# Allegro board 1151864-PCIE3_0_X16-166-20240802_20240815_2000_pcb.brd (continued)
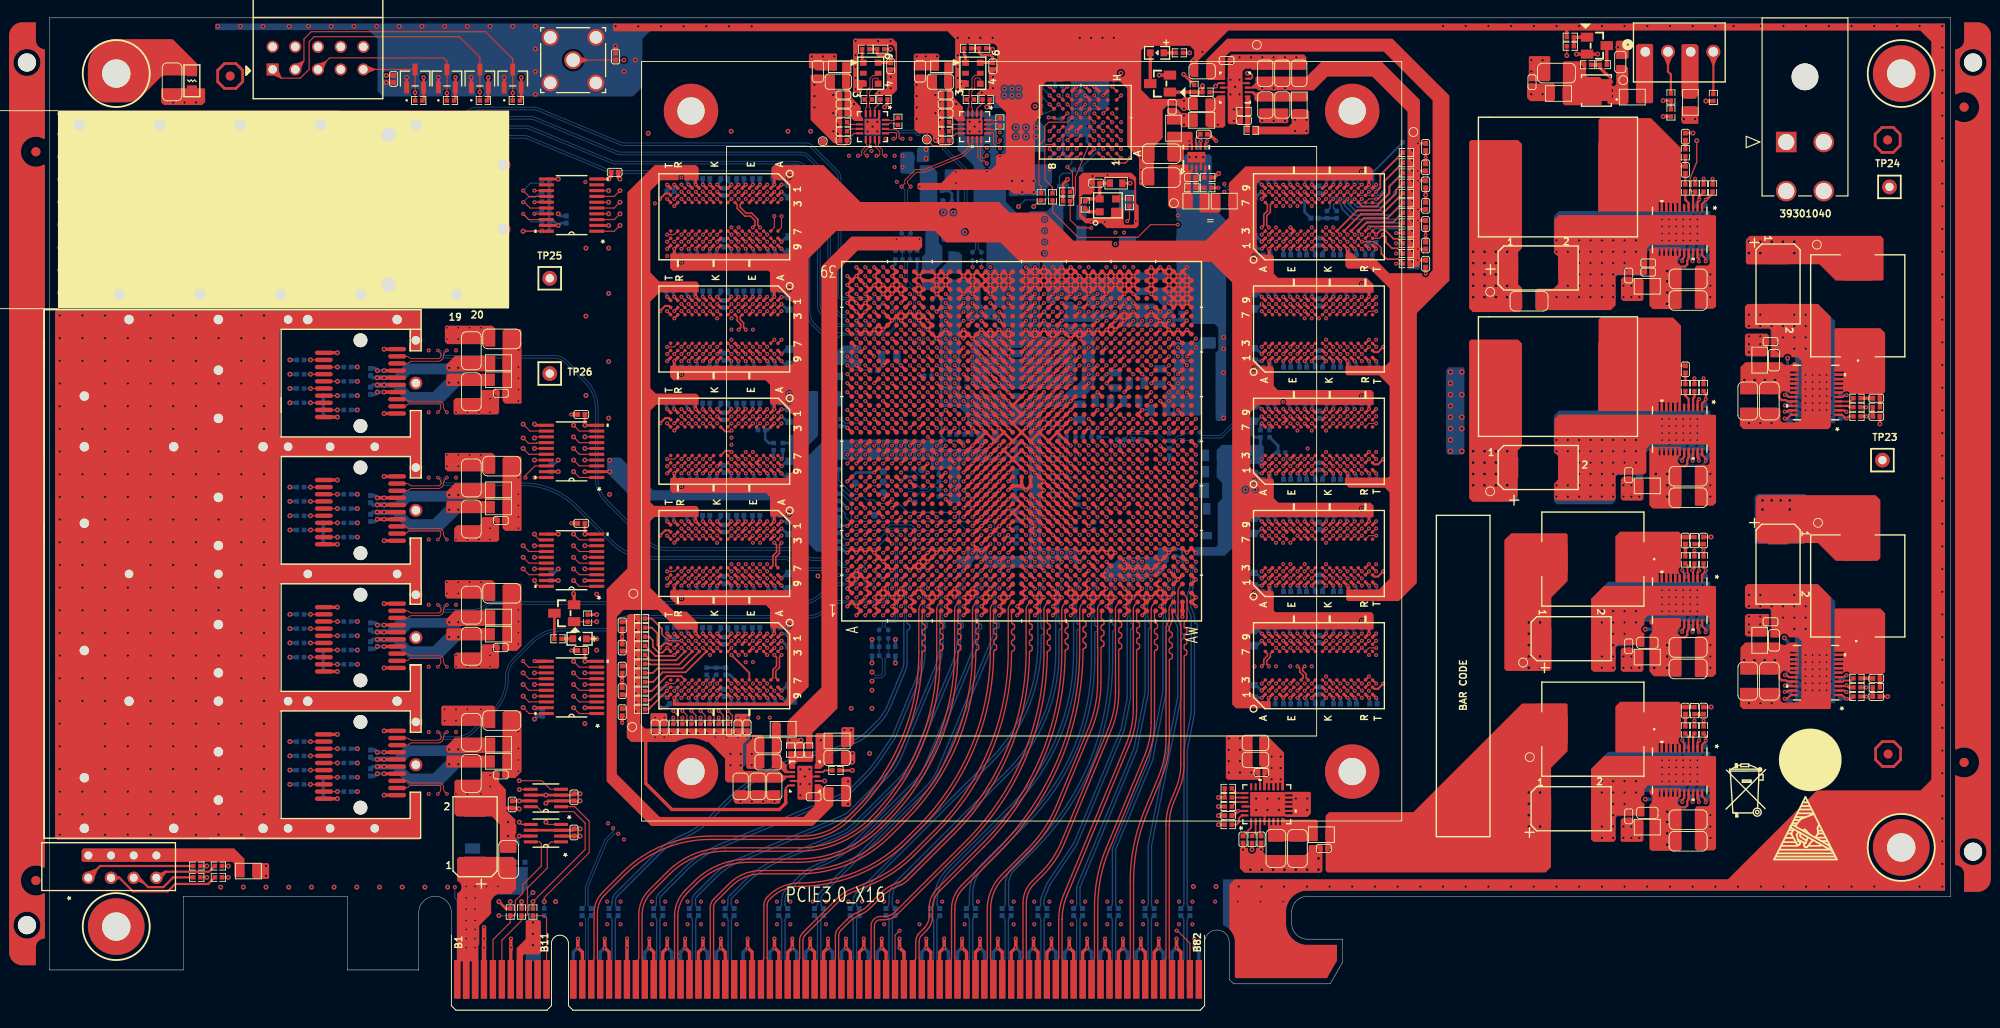
[diagram p0: board, top side]
## Placement (name value [footprint] x y rotation side) (continued)
C333  0.22UF  [C0402]  85.63 10.99 270 bottom
C334  0.22UF  [C0402]  86.65 10.99 270 bottom
C335  0.22UF  [C0402]  89.63 10.99 270 bottom
C336  0.22UF  [C0402]  90.65 10.99 270 bottom
C337  0.22UF  [C0402]  93.63 10.99 270 bottom
C338  0.22UF  [C0402]  94.65 10.99 270 bottom
C339  0.22UF  [C0402]  98.63 10.99 270 bottom
C340  0.22UF  [C0402]  99.65 10.99 270 bottom
C341  0.1UF  [C0402]  58.72 23.84 270 top
C342  0.1UF  [C0402]  51.82 23.04 270 top
C343  0.22UF  [C0402]  102.63 10.99 270 bottom
C344  0.22UF  [C0402]  103.65 10.99 270 bottom
C345  0.22UF  [C0402]  106.63 10.99 270 bottom
C346  0.22UF  [C0402]  107.65 10.99 270 bottom
C347  0.22UF  [C0402]  110.63 10.99 270 bottom
C348  0.22UF  [C0402]  111.65 10.99 270 bottom
C349  0.22UF  [C0402]  114.63 10.99 270 bottom
C350  0.22UF  [C0402]  115.65 10.99 270 bottom
C351  0.22UF  [C0402]  118.63 10.99 270 bottom
C352  0.22UF  [C0402]  119.65 10.99 270 bottom
C353  0.22UF  [C0402]  122.63 10.99 270 bottom
C354  0.22UF  [C0402]  123.65 10.99 270 bottom
C355  0.22UF  [C0402]  126.63 10.99 270 bottom
C356  0.22UF  [C0402]  127.65 10.99 270 bottom
C357  0.1UF  [C0402]  94.17 105.73 90 top
C358  1UF  [C0603]  86.02 105.16 270 top
C359  10UF  [C0805]  88.31 104.01 180 top
C360  0.1UF  [C0402]  88.89 102.51 0 top
C361  0.1UF  [C0402]  88.89 101.5 0 top
C362  0.1UF  [C0402]  88.89 100.48 0 top
C363  0.1UF  [C0402]  88.89 97.43 0 top
C364  0.1UF  [C0402]  105.6 105.73 90 top
C365  1UF  [C0603]  97.45 105.16 270 top
C366  10UF  [C0805]  99.74 104.01 180 top
C367  0.1UF  [C0402]  100.32 100.48 0 top
C368  0.1UF  [C0402]  100.32 101.5 0 top
C369  0.1UF  [C0402]  100.32 102.51 0 top
C370  0.1UF  [C0402_BGA]  128.29 63.73 180 bottom
C371  0.1UF  [C0402_BGA]  128.29 64.73 180 bottom
C372  0.1UF  [C0402_BGA]  96.4 87.5 270 bottom
C373  0.1UF  [C0402_BGA]  95.39 87.5 270 bottom
C374  0.1UF  [C0402]  100.32 97.43 0 top
C375  1UF  [C0603]  181.87 84.79 270 bottom
C376  0.1UF  [C0402]  183.1 94.13 270 top
C377  0.1UF  [C0402]  176.76 82.29 270 top
C378  22UF  [C1206]  183.41 81.91 0 top
C379  22UF  [C1206]  183.41 79.5 0 bottom
C380  22UF  [C1206]  183.41 79.5 0 top
C381  22UF  [C1206]  183.41 81.91 0 bottom
C382  1000PF  [C0402]  178.94 82.68 180 top
C383  1000PF  [C0402]  178.94 83.69 180 top
C384  4.7UF  [C0805]  178.85 82.93 180 bottom
C385  0.1UF_DNP  [C0402]  183.1 97.85 270 top
C386  0.1UF  [C0402]  176.76 40.76 270 top
C387  22UF  [C1206]  183.41 40.63 0 bottom
C388  22UF  [C1206]  183.41 38.22 0 top
C389  22UF  [C1206]  183.41 40.63 0 top
C390  22UF  [C1206]  183.41 38.22 0 bottom
C391  1UF  [C0603]  178.85 41.15 180 top
C392  1UF  [C0603]  181.87 43.26 90 bottom
C393  0.1UF  [C0402]  183.1 52.6 270 top
C394  0.1UF_DNP  [C0402]  185.14 52.6 270 top
C395  0.1UF  [C0402]  192.63 43.5 180 top
C396  22UF  [C1206]  192.5 36.86 270 bottom
C397  22UF  [C1206]  192.5 36.86 270 top
C398  22UF  [C1206]  190.09 36.86 270 bottom
C399  22UF  [C1206]  190.09 36.86 270 top
C400  1UF  [C0603]  193.02 41.42 90 top
C401  1UF  [C0603]  195.13 38.4 0 bottom
C402  0.1UF  [C0402]  204.47 37.17 180 top
C403  0.1UF_DNP  [C0402]  204.47 35.13 180 top
C404  0.1UF  [C0402]  176.76 21.71 270 top
C405  22UF  [C1206]  183.41 18.92 0 bottom
C406  22UF  [C1206]  183.41 18.92 0 top
C407  22UF  [C1206]  183.41 21.33 0 bottom
C408  22UF  [C1206]  183.41 21.33 0 top
C409  1UF  [C0603]  178.85 22.1 180 top
C410  1UF  [C0603]  181.87 24.21 90 bottom
C411  0.1UF  [C0402]  183.1 33.55 270 top
C412  2.2UF  [C0402]  131.94 21.79 0 top
C413  0.1UF_DNP  [C0402]  185.14 33.55 270 top
C414  0.1UF  [C0402]  142.65 18.12 0 top
C415  100UF  [C1206]  137.28 18.11 270 top
C416  47UF  [C1206]  139.69 18.11 270 top
C417  2.2UF  [C0402]  135.65 26.62 0 top
C418  4.7UF  [C0805]  134.99 28.04 180 top
C419  10UF  [C0805]  134.99 29.94 180 top
C420  0.01UF  [C0402]  135.63 19.13 270 top
C421  1000PF  [C0402]  133.59 19.13 270 top
C422  0.1UF  [C0402]  192.63 74.89 180 top
C423  22UF  [C1206]  190.09 68.24 270 bottom
C424  22UF  [C1206]  190.09 68.24 270 top
C425  22UF  [C1206]  192.5 68.24 270 bottom
C426  22UF  [C1206]  192.5 68.24 270 top
C427  1UF  [C0603]  193.02 72.81 90 top
C428  1UF  [C0603]  195.13 69.78 0 bottom
C429  0.1UF  [C0402]  204.47 68.55 180 top
C430  0.1UF  [C0402]  96.99 95.4 180 bottom
C431  10UF  [C0805]  99.81 93.22 0 bottom
C432  0.1UF_DNP  [C0402]  204.47 66.52 180 top
C433  10UF  [C0805]  98.33 82.06 270 bottom
C434  0.1UF  [C0402]  125.66 101.2 270 top
C435  22UF  [C1206]  124.47 95.94 180 top
C436  0.01UF  [C0402]  127.87 93.27 180 top
C437  47UF  [C1206]  124.44 93.27 180 top
C438  0.1UF  [C0402]  129.2 98.12 180 top
C439  0.1UF  [C0402]  176.76 59.94 270 top
C440  22UF  [C1206]  183.41 59.81 0 top
C441  22UF  [C1206]  183.41 59.81 0 bottom
C442  22UF  [C1206]  183.41 57.4 0 bottom
C443  22UF  [C1206]  183.41 57.4 0 top
C444  4.7UF  [C0805]  178.85 58.75 180 bottom
C445  1UF  [C0603]  181.87 62.43 90 bottom
C446  0.1UF  [C0402]  183.1 71.78 270 top
C447  10UF  [C0805]  80.45 27.76 180 top
C448  10UF  [C0805]  80.45 29.66 180 top
C449  1000PF  [C0402]  83.98 29.14 90 top
C450  4.7UF  [C0805]  88.17 28.25 0 top
C451  10UF  [C0805]  81.14 25.07 270 top
C452  10UF  [C0805]  79.28 25.07 270 top
C453  10UF  [C0805]  77.37 25.07 270 top
C454  0.1UF  [C0402]  85.54 23.9 180 top
C455  4.7UF  [C0805]  88.17 24.31 0 top
C456  10UF  [C0805]  136.09 101.39 270 top
C457  10UF  [C0805]  137.99 101.39 270 top
C458  1000PF  [C0402]  133.71 99.66 180 top
C459  4.7UF  [C0805]  128.97 101.49 180 top
C460  10UF  [C0805]  139.89 104.95 90 top
C461  10UF  [C0805]  137.99 104.95 90 top
C462  10UF  [C0805]  136.08 104.95 90 top
C463  0.1UF  [C0402]  131.76 106.38 0 top
C464  4.7UF  [C0805]  129.02 105.18 180 top
C465  1000pF_DNP  [C1206]  13.74 103.99 90 top
C466  0.1UF  [C0402]  165.94 103.95 270 top
C467  10UF  [C1206]  168.67 104.97 180 top
C468  1UF  [C0603]  175.82 106.21 90 top
C469  0.1UF  [C0402_BGA]  108.82 48.26 270 bottom
C470  0.1UF  [C0402_BGA]  112.82 49.26 270 bottom
C471  0.1UF  [C0402_BGA]  103.82 49.26 270 bottom
C472  0.1UF  [C0402_BGA]  113.29 77.73 180 bottom
C473  0.1UF  [C0402_BGA]  113.29 78.73 180 bottom
C474  0.1UF  [C0402_BGA]  107.82 48.2 90 bottom
C475  0.1UF  [C0402_BGA]  93.35 48.73 0 bottom
C476  0.1UF  [C0402_BGA]  95.82 49.2 90 bottom
C477  0.1UF  [C0402_BGA]  95.82 78.26 270 bottom
C478  0.1UF  [C0402_BGA]  97.79 78.28 270 bottom
C479  0.1UF  [C0402_BGA]  90.82 78.2 90 bottom
C480  0.1UF  [C0402_BGA]  106.82 49.26 270 bottom
C481  0.1UF  [C0402_BGA]  101.82 67.26 270 bottom
C482  0.1UF  [C0402_BGA]  117.29 70.73 0 bottom
C483  0.1UF  [C0402_BGA]  109.82 49.26 270 bottom
C484  0.1UF  [C0402_BGA]  112.35 59.73 180 bottom
C485  0.1UF  [C0402_BGA]  102.82 60.26 270 bottom
C486  0.1UF  [C0402_BGA]  102.82 57.26 270 bottom
CC1  330UF  [C2917X]  123.86 85.52 90 bottom
CC2  330UF  [C2917X]  123.86 90.68 90 bottom
CC3  330UF  [C2917X]  166.63 83.21 90 bottom
CC4  330UF  [C2917X]  166.63 83.14 270 top
CC5  330UF  [C2917X]  170.31 41.61 90 bottom
CC6  330UF  [C2917X]  170.31 41.61 270 top
CC7  330UF  [C2917X]  193.48 49.96 0 bottom
CC8  330UF  [C2917X]  193.48 49.96 180 top
CC9  330UF  [C2917X]  170.31 22.56 90 bottom
CC10  330UF  [C2917X]  170.31 22.56 270 top
CC11  330UF  [C2917X]  193.48 81.34 180 top
CC12  330UF  [C2917X]  193.48 81.34 0 bottom
CC13  330UF  [C2917X]  166.63 60.78 90 bottom
CC14  330UF  [C2917X]  166.63 60.78 270 top
CC15  100UF  [C2917X]  47.65 19.43 0 top
D1  BAT54SLT1G  [SOT-23]  40.94 104.36 0 top
D2  BAT54SLT1G  [SOT-23]  44.5 104.36 0 top
D3  BAT54SLT1G  [SOT-23]  51.87 104.36 0 top
D4  BAT54SLT1G  [SOT-23]  48.18 104.36 0 top
D5  -  [H485CGDL]  4.37 14.83 90 top
DS1  SML-LX0603GW-TR  [LED_0603]  59.34 41.6 180 top
DS2  SML-LX0603GW-TR  [LED_0603]  123.98 107.24 180 top
J1  JTAG  [SBH11-PBPC-D05-ST-BK]  30.07 106.65 0 top
J2  -  [RF2-04A-T-00-50-G]  58.62 106.42 0 top
J3  FS1-Z38-20Z6-60  [QSFP_28]  45.34 96.68 270 top
J4  U95-T151-100A  [D_QSFP_1X1]  45.34 96.68 270 top
J5  -  [0039301040]  194.39 97.25 180 top
J6  -  [0022112042]  178.62 107.35 0 top
L1  BLM18SG121TN1D  [L0603]  108.14 61.01 270 bottom
L2  BLM18SG121TN1D  [L0603]  108.14 56.58 90 bottom
L3  BLM18SG121TN1D  [L0603]  119.39 92.63 0 top
L4  BLM21SN300SN1D  [L0805]  113.94 105 180 bottom
L5  BLM21SN300SN1D  [L0805]  22.28 15.58 0 top
L6  BLM21SN300SN1D  [L0805]  108.8 100.61 270 bottom
L7  BLM21SN300SN1D  [L0805]  158.74 70.19 180 bottom
L8  BLM21SN300SN1D  [L0805]  106.44 100.61 90 bottom
L9  BLM21SN300SN1D  [L0805]  101.43 82.18 270 bottom
L10  BLM21SN300SN1D  [L0805]  158.74 67.65 180 bottom
L11  BLM21SN300SN1D  [L0805]  131.49 90.63 0 top
L12  BLM21SN300SN1D  [L0805]  158.74 63.9 180 bottom
L13  BLM21SN300SN1D  [L0805]  38.14 93.28 0 bottom
L14  BLM21SN300SN1D  [L0805]  38.14 86.6 0 bottom
L15  BLM21SN300SN1D  [L0805]  38.14 88.51 0 bottom
L16  BLM21SN300SN1D  [L0805]  50.28 70.62 180 top
L17  BLM21SN300SN1D  [L0805]  50.28 72.54 180 top
L18  BLM21SN300SN1D  [L0805]  50.28 56.37 180 top
L19  BLM21SN300SN1D  [L0805]  50.28 58.29 180 top
L20  BLM21SN300SN1D  [L0805]  50.28 42.12 180 top
L21  BLM21SN300SN1D  [L0805]  50.28 44.04 180 top
L22  BLM21SN300SN1D  [L0805]  50.28 27.87 180 top
L23  BLM21SN300SN1D  [L0805]  50.28 29.79 180 top
L24  BLM15PD121SN1D  [L0402]  93.05 107.65 0 top
L25  BLM18SG121TN1D  [L0603]  88.46 105.69 0 top
L26  BLM15PD121SN1D  [L0402]  104.46 107.75 0 top
L27  BLM18SG121TN1D  [L0603]  99.89 105.69 0 top
L28  BLM21SN300SN1D  [L0805]  178.84 81.08 0 top
L29  0.44UH  [PA0513_441NLT]  168.94 93.32 0 top
L30  BLM21SN300SN1D  [L0805]  178.84 39.55 0 top
L31  0.56uH  [IHLP4040DZERR]  172.75 50.52 180 top
L32  BLM21SN300SN1D  [L0805]  191.42 41.43 270 top
L33  0.56uH  [IHLP4040DZERR]  202.39 47.52 90 top
L34  BLM21SN300SN1D  [L0805]  178.84 20.5 0 top
L35  0.56uH  [IHLP4040DZERR]  172.75 31.47 180 top
L36  BLM21SN300SN1D  [L0805]  142.37 19.65 180 top
L37  BLM21SN300SN1D  [L0805]  191.42 72.82 270 top
L38  0.56uH  [IHLP4040DZERR]  202.39 78.9 90 top
L39  BLM18SG121TN1D  [L0603]  97.09 94.13 0 bottom
L40  BLM18SG121TN1D  [L0603]  100.28 84.56 0 bottom
L41  BLM21SN300SN1D  [L0805]  125.82 98.79 270 top
L42  BLM21SN300SN1D  [L0805]  128.32 90.63 0 top
L43  BLM21SN300SN1D  [L0805]  178.84 58.73 0 top
L44  0.44UH  [PA0513_441NLT]  168.94 70.97 0 top
L45  BLM21SN300SN1D  [L0805]  82.13 31.45 180 top
L46  BLM21SN300SN1D  [L0805]  88.17 30.15 0 top
L47  BLM21SN300SN1D  [L0805]  139.9 101.39 90 top
L48  BLM21SN300SN1D  [L0805]  128.97 99.67 180 top
L49  BLM21SN300SN1D  [L0805]  177.16 102.28 180 top
L50  BLM21SN300SN1D  [L0805]  168.91 102.68 0 top
L51  BLM21SN300SN1D  [L0805]  183.67 101.69 90 top
MH1  MH_125_250  [MH_250H125]  7.49 104.92 0 top
MH2  MH_125_250  [MH_250H125]  7.49 9.36 0 top
MH3  MH_125_250  [MH_250H125]  207.26 18.23 0 top
MH4  MH_125_250  [MH_250H125]  207.26 104.92 0 top
NOREF  -  []  212.8 111.15 0 top
NOREF#2  -  []  33.35 12.75 0 top
NOREF#3  -  [unnamed#2]  20.24 104.64 0 top
NOREF#4  -  []  197.08 28.03 0 top
NOREF#5  -  [unnamed#3]  212.8 111.15 90 top
NOREF#6  -  []  112.47 -87.11 0 top
NOREF#7  -  []  -79.43 -120.31 0 top
NOREF#8  -  []  7.49 9.36 0 top
NOREF#9  -  []  158.24 37.43 90 top
NOREF#10  -  []  143.35 2.95 0 top
NOREF#11  -  []  212.8 116.23 90 top
NOREF#12  -  []  192.41 24.73 0 top
NOREF#13  -  [unnamed#3]  0 4.52 270 top
NOREF#14  -  []  0 4.5 0 top
NOREF#15  -  []  195.86 19.88 0 top
NOREF#16  -  []  0 0 0 top
NOREF#17  -  []  0 0 0 top
NOREF#18  -  []  7.49 9.36 0 top
NOREF#19  -  [unnamed#4]  212.8 12.75 270 top
NOREF#20  -  []  138.58 -83.09 0 top
NOREF#21  -  []  0 116.23 90 top
NOREF#22  -  []  212.8 12.75 0 top
NOREF#23  -  [unnamed#4]  0 111.15 90 top
NOREF#24  -  []  334.62 255.34 0 top
NOREF#25  -  [unnamed#2]  205.74 97.48 0 top
NOREF#26  -  [unnamed#2]  205.79 28.69 0 top
NOREF#27  -  []  212.8 111.15 0 top
NOREF#28  -  []  358.75 196.92 0 top
NOREF#29  -  []  327 39.4 0 top
NOREF#30  -  []  327.5 122.83 0 top
NOREF#31  -  []  302.62 -1.33 0 top
NOREF#32  -  [unnamed#2]  20.24 104.64 180 bottom
NOREF#33  -  [unnamed#2]  205.74 97.48 180 bottom
NOREF#34  -  [unnamed#2]  205.79 28.69 180 bottom
P1  2007132-1  [SFP_1X4_CAGE]  3.93 20.36 270 top
P2  -  [PCIE_X16_EDGE]  87.15 3.5 0 top
Q1  -  [NDS331N]  57.63 44.46 90 top
Q2  -  [NDS331N]  124.32 103.79 90 top
Q3  CSD25402Q3A  [CSD25402]  173.15 103.01 180 top
Q4  -  [NDS331N]  173.2 108.04 270 top
R1  4.7K  [R0402]  87.97 60.6 0 bottom
R2  4.7K  [R0402]  113.45 92.28 180 bottom
R3  4.7K  [R0402]  60.25 43.91 270 top
R4  330  [R0402]  56.93 41.6 0 top
R5  0  [R0402]  115.07 94.16 0 bottom
R6  0  [R0402]  111.01 91.1 90 top
R7  10K  [R0402]  41.34 101.89 180 top
R8  10K  [R0402]  44.9 101.89 180 top
R9  10K  [R0402]  52.27 101.89 180 top
R10  10K  [R0402]  48.58 101.89 180 top
R11  1K_DNP  [R0402]  87.34 53.87 270 bottom
R12  1K  [R0402]  88.35 53.87 270 bottom
R13  0_DNP  [R0402]  108.29 52.68 270 bottom
R14  1K  [R0402]  87.34 52.1 90 bottom
R15  0  [R0402]  108.29 54.45 90 bottom
R16  1K_DNP  [R0402]  88.35 52.1 90 bottom
R17  1K_DNP  [R0402]  87.34 55.65 90 bottom
R18  1K_DNP  [R0402]  87.34 57.43 90 bottom
R19  1K  [R0402]  88.35 57.43 90 bottom
R20  1K  [R0402]  88.35 55.65 90 bottom
R21  0_DNP  [R0402]  117.84 73.22 90 bottom
R22  0  [R0402]  115.94 90.2 90 top
R23  0  [R0402]  120.89 90.47 270 top
R24  4.7K  [R0402]  113.85 90.63 0 top
R25  4.7K  [R0402]  110.58 102.21 0 bottom
R26  4.7K  [R0402]  112.95 103.5 0 bottom
R27  4.7K  [R0402]  113.85 91.67 0 top
R28  4.7K  [R0402]  110.58 103.48 0 bottom
R29  0_DNP  [R0402]  110.98 100.84 270 bottom
R30  0_DNP  [R0402]  112.28 91.1 270 top
R31  0_DNP  [R0402]  119.54 104.24 0 bottom
R32  100  [R0402]  126.58 77.72 270 bottom
R33  100  [R0402]  125.97 51.25 90 bottom
R34  240  [R0402]  88.56 65.82 270 bottom
R35  1K  [R0402]  102.82 64.49 180 bottom
R36  240  [R0402]  92.28 71.63 0 bottom
R37  1K  [R0402]  101.12 64.49 0 bottom
R38  1K  [R0402]  95.08 85.09 180 bottom
R39  1K  [R0402]  96.73 85.09 0 bottom
R40  100  [R0402]  95.91 86.11 0 bottom
R41  1K  [R0402]  95.08 84.07 0 bottom
R42  1K  [R0402]  96.73 84.07 180 bottom
R43  240  [R0402]  98.32 71.07 180 bottom
R44  1K  [R0402]  102.68 70.25 90 bottom
R45  499  [R0402]  94.29 40.72 0 bottom
R46  499  [R0402]  92.47 40.72 180 bottom
R47  1K  [R0402]  94.29 39.7 180 bottom
R48  1K  [R0402]  92.47 39.7 0 bottom
R49  499  [R0402]  18.92 16.14 0 top
R50  499  [R0402]  16.51 14.87 0 top
R51  499  [R0402]  18.92 14.87 0 top
R52  499  [R0402]  16.51 16.14 0 top
R53  499  [R0402]  99.55 59.61 90 bottom
R54  499  [R0402]  99.55 57.92 270 bottom
R55  0  [R0402]  96.31 60.63 0 bottom
R56  1K  [R0402]  96.91 59.13 270 bottom
R57  1K  [R0402]  96.91 57.33 90 bottom
R58  240  [R0402]  116.93 54.25 90 bottom
R59  1K  [R0402]  114.89 54.26 90 bottom
R60  240  [R0402]  115.17 57.04 90 bottom
R61  1K  [R0402]  113.49 64.2 0 bottom
R62  1K  [R0402]  125.33 64.2 90 bottom
R63  1K  [R0402]  125.33 62.55 270 bottom
R64  100  [R0402]  126.83 64.22 270 bottom
R65  1K  [R0402]  119.92 63.96 0 bottom
R66  1K  [R0402]  121.72 63.96 180 bottom
R67  240  [R0402]  117.04 64.2 180 bottom
R68  1K  [R0402]  115.26 64.2 180 bottom
R69  499  [R0402]  72.12 72.06 180 bottom
R70  240  [R0402]  78.47 72.06 0 bottom
R71  499  [R0402]  72.12 84.63 180 bottom
R72  240  [R0402]  78.47 84.63 0 bottom
R73  4.7K  [R0402]  69.55 42.85 180 bottom
R74  499  [R0402]  72.12 46.91 180 bottom
R75  240  [R0402]  78.47 46.91 0 bottom
R76  499  [R0402]  72.12 34.34 180 bottom
R77  240  [R0402]  78.47 34.34 0 bottom
R78  39R2  [R0402]  66.28 39.8 180 top
R79  39R2  [R0402]  66.28 35.74 180 top
R80  39R2  [R0402]  66.28 40.82 180 top
R81  49.9  [R0402]  68.31 35.61 90 bottom
R82  39R2  [R0402]  71.87 31.67 270 top
R83  39R2  [R0402]  66.28 38.79 180 top
R84  39R2  [R0402]  70.85 31.67 270 top
R85  39R2  [R0402]  66.28 43.87 180 top
R86  39R2  [R0402]  69.84 31.67 270 bottom
R87  39R2  [R0402]  70.85 31.67 270 bottom
R88  39R2  [R0402]  66.28 34.72 180 top
R89  39R2  [R0402]  66.28 37.77 180 top
R90  39R2  [R0402]  66.28 42.85 180 top
R91  39R2  [R0402]  73.9 31.67 270 top
R92  39R2  [R0402]  66.28 33.71 180 top
R93  39R2  [R0402]  74.92 31.67 270 bottom
R94  1K  [R0402]  79.72 65 0 bottom
R95  39R2  [R0402]  72.88 31.67 270 top
R96  39R2  [R0402]  73.9 31.67 270 bottom
R97  1K  [R0402]  81.08 63.13 270 bottom
R98  39R2  [R0402]  69.84 31.67 270 top
R99  1K  [R0402]  82.09 63.13 270 bottom
R100  39R2  [R0402]  71.87 31.67 270 bottom
R101  39R2  [R0402]  72.88 31.67 270 bottom
R102  39R2  [R0402]  75.93 31.67 270 bottom
R103  39R2  [R0402]  74.92 31.67 270 top
R104  39R2  [R0402]  66.28 36.75 180 top
R105  39R2  [R0402]  75.93 31.67 270 top
R106  39R2  [R0402]  66.28 41.83 180 top
R107  499  [R0402]  72.12 59.49 180 bottom
R108  240  [R0402]  78.47 59.49 0 bottom
R109  36  [R0402]  73.57 37.96 270 bottom
R110  36  [R0402]  74.65 37.96 270 bottom
R111  499  [R0402]  145.52 93.12 0 bottom
R112  240  [R0402]  139.17 93.12 180 bottom
R113  499  [R0402]  145.52 80.54 0 bottom
R114  240  [R0402]  139.17 80.54 180 bottom
R115  4.7K  [R0402]  147.68 84.61 0 bottom
R116  499  [R0402]  145.52 42.82 0 bottom
R117  240  [R0402]  139.17 42.82 180 bottom
R118  499  [R0402]  145.52 55.4 0 bottom
R119  240  [R0402]  139.17 55.4 180 bottom
R120  39R2  [R0402]  151.88 89.33 0 top
R121  39R2  [R0402]  151.88 93.78 0 top
R122  39R2  [R0402]  151.88 88.19 0 top
R123  39R2  [R0402]  151.88 93.78 0 bottom
R124  39R2  [R0402]  151.88 90.43 0 top
R125  39R2  [R0402]  151.88 97.21 0 bottom
R126  39R2  [R0402]  151.88 83.62 0 top
R127  39R2  [R0402]  151.88 96.06 0 bottom
R128  49.9  [R0402]  144.91 94.13 0 bottom
R129  39R2  [R0402]  151.88 87.05 0 bottom
R130  39R2  [R0402]  151.88 94.92 0 top
R131  39R2  [R0402]  151.88 91.49 0 top
R132  39R2  [R0402]  151.88 84.76 0 top
R133  39R2  [R0402]  151.88 91.49 0 bottom
R134  39R2  [R0402]  151.88 96.06 0 top
R135  39R2  [R0402]  151.88 84.76 0 bottom
R136  1K  [R0402]  137.92 62.46 180 bottom
R137  39R2  [R0402]  151.88 92.63 0 bottom
R138  39R2  [R0402]  151.88 90.43 0 bottom
R139  1K  [R0402]  136.56 64.58 90 bottom
R140  1K  [R0402]  135.55 64.58 90 bottom
R141  39R2  [R0402]  151.88 88.19 0 bottom
R142  39R2  [R0402]  151.88 94.92 0 bottom
R143  39R2  [R0402]  151.88 85.9 0 bottom
R144  39R2  [R0402]  151.88 83.62 0 bottom
R145  39R2  [R0402]  151.88 89.33 0 bottom
R146  39R2  [R0402]  151.88 92.63 0 top
R147  39R2  [R0402]  151.88 87.05 0 top
R148  39R2  [R0402]  151.88 85.9 0 top
R149  499  [R0402]  145.52 67.97 0 bottom
R150  240  [R0402]  139.17 67.97 180 bottom
R151  36  [R0402]  144.07 89.12 90 bottom
R152  36  [R0402]  142.99 89.12 90 bottom
R153  4.7K  [R0402]  55.55 87.3 180 bottom
R154  4.7K  [R0402]  55.55 88.32 180 bottom
R155  4.7K  [R0402]  55.55 89.46 180 bottom
R156  4.7K  [R0402]  55.55 91.62 180 bottom
R157  4.7K  [R0402]  55.55 90.6 180 bottom
R158  4.7K  [R0402]  55.55 92.63 180 bottom
R159  4.7K  [R0402]  28.11 72.84 0 bottom
R160  4.7K  [R0402]  33.37 72.04 180 bottom
R161  4.7K_DNP  [R0402]  31.06 68.84 0 bottom
R162  4.7K  [R0402]  33.37 67.24 180 bottom
R163  4.7K_DNP  [R0402]  31.06 67.24 0 bottom
R164  4.7K  [R0402]  33.37 56.19 180 bottom
R165  4.7K  [R0402]  28.11 71.24 0 bottom
R166  4.7K  [R0402]  33.37 70.44 180 bottom
R167  4.7K  [R0402]  28.11 69.64 0 bottom
R168  4.7K  [R0402]  33.37 68.84 180 bottom
R169  4.7K  [R0402]  28.11 68.04 0 bottom
R170  4.7K  [R0402]  28.11 58.59 0 bottom
R171  4.7K  [R0402]  33.37 57.79 180 bottom
R172  4.7K  [R0402]  28.11 56.99 0 bottom
R173  4.7K  [R0402]  28.11 55.39 0 bottom
R174  4.7K  [R0402]  33.37 54.59 180 bottom
R175  4.7K_DNP  [R0402]  31.06 54.59 0 bottom
R176  4.7K  [R0402]  33.37 52.99 180 bottom
R177  4.7K_DNP  [R0402]  31.06 52.99 0 bottom
R178  4.7K  [R0402]  28.11 53.79 0 bottom
R179  4.7K  [R0402]  28.11 44.34 0 bottom
R180  4.7K  [R0402]  33.37 43.54 180 bottom
R181  4.7K  [R0402]  28.11 42.74 0 bottom
R182  4.7K  [R0402]  33.37 41.94 180 bottom
R183  4.7K  [R0402]  28.11 41.14 0 bottom
R184  4.7K  [R0402]  33.37 40.34 180 bottom
R185  4.7K_DNP  [R0402]  31.06 40.34 0 bottom
R186  4.7K  [R0402]  33.37 38.74 180 bottom
R187  4.7K_DNP  [R0402]  31.06 38.74 0 bottom
R188  4.7K  [R0402]  28.11 39.54 0 bottom
R189  4.7K  [R0402]  28.11 30.09 0 bottom
R190  4.7K  [R0402]  33.37 29.29 180 bottom
R191  4.7K  [R0402]  28.11 28.49 0 bottom
R192  4.7K  [R0402]  33.37 27.69 180 bottom
R193  4.7K  [R0402]  28.11 26.89 0 bottom
R194  4.7K  [R0402]  33.37 26.09 180 bottom
R195  4.7K_DNP  [R0402]  31.06 26.09 0 bottom
R196  4.7K  [R0402]  33.37 24.49 180 bottom
R197  4.7K_DNP  [R0402]  31.06 24.49 0 bottom
R198  4.7K  [R0402]  28.11 25.29 0 bottom
R199  4.7K_DNP  [R0402]  52.86 10.99 270 top
R200  4.7K_DNP  [R0402]  51.59 10.99 270 top
R201  4.7K_DNP  [R0402]  54.13 10.99 90 bottom
R202  0_DNP  [R0402]  54.13 10.99 270 top
R203  0  [R0402]  55.4 10.99 90 bottom
R204  0_DNP  [R0402]  52.86 10.99 90 bottom
R205  0  [R0402]  51.59 10.99 90 bottom
R206  100  [R0402]  94.98 99.57 270 top
R207  4.7K  [R0402]  91.37 107.65 0 top
R208  10K  [R0402]  93.42 102.01 180 top
R209  100  [R0402]  91.65 102.01 0 top
R210  1K  [R0402]  88.89 99.47 180 top
R211  1K  [R0402]  88.89 98.45 180 top
R212  100  [R0402]  106.39 99.49 270 top
R213  4.7K  [R0402]  102.78 107.75 180 top
R214  10K  [R0402]  104.85 102.01 180 top
R215  100  [R0402]  103.08 102.01 0 top
R216  1K  [R0402]  100.32 99.47 180 top
R217  1K  [R0402]  100.32 98.45 180 top
R218  100K  [R0402]  184.2 92.09 270 top
R219  200K  [R0402]  183.6 84.92 90 bottom
R220  147k  [R0402]  184.61 84.92 90 bottom
R221  187k_DNP  [R0402]  185.63 84.92 90 bottom
R222  20K  [R0402]  185.14 92.09 270 top
R223  20K  [R0402]  185.39 89.68 90 bottom
R224  2  [R0402]  183.1 92.09 90 top
R225  10K  [R0402]  184.39 89.68 270 bottom
R226  8.2K  [R0402]  186.15 92.09 270 top
R227  2_DNP  [R0402]  183.1 96.05 90 top
R228  100K  [R0402]  184.12 50.44 270 top
R229  10K  [R0402]  185.39 48.15 90 bottom
R230  100K  [R0402]  183.6 43.39 270 bottom
R231  110K  [R0402]  184.61 43.39 270 bottom
R232  187k_DNP  [R0402]  185.63 43.39 270 bottom
R233  124K_DNP  [R0402]  180.34 42.67 180 bottom
R234  20K  [R0402]  185.14 50.44 90 top
R235  0  [R0402]  183.12 48.15 270 bottom
R236  0  [R0402]  183.1 50.44 90 top
R237  2_DNP  [R0402]  184.12 52.6 270 top
R238  20K  [R0402]  200.02 34.88 0 bottom
R239  100K  [R0402]  195.26 36.67 180 bottom
R240  110K  [R0402]  195.26 35.65 180 bottom
R241  187k_DNP  [R0402]  195.26 34.64 180 bottom
R242  124K_DNP  [R0402]  194.54 39.92 90 bottom
R243  100K  [R0402]  202.31 36.15 180 top
R244  0  [R0402]  202.31 37.17 0 top
R245  10K  [R0402]  202.31 35.13 0 top
R246  0  [R0402]  200.02 37.15 180 bottom
R247  2_DNP  [R0402]  204.47 36.15 180 top
R248  100K  [R0402]  184.12 31.39 270 top
R249  10K  [R0402]  185.39 29.1 90 bottom
R250  100K  [R0402]  183.6 24.34 270 bottom
R251  110K  [R0402]  184.61 24.34 270 bottom
R252  187k_DNP  [R0402]  185.63 24.34 270 bottom
R253  124K_DNP  [R0402]  180.34 23.62 180 bottom
R254  0  [R0402]  183.1 31.39 90 top
R255  15K  [R0402]  185.14 31.39 90 top
R256  0  [R0402]  183.12 29.1 270 bottom
R257  2_DNP  [R0402]  184.12 33.55 270 top
R258  0  [R0402]  131.94 23.83 0 top
R259  0  [R0402]  131.94 24.84 0 top
R260  0  [R0402]  131.94 20.78 0 top
R261  100K  [R0402]  134.61 19.13 90 top
R262  0  [R0402]  131.94 22.81 0 top
R263  100K  [R0402]  202.31 67.53 180 top
R264  4.02K  [R0402]  200.02 66.26 0 bottom
R265  100K  [R0402]  195.26 68.05 180 bottom
R266  110K  [R0402]  195.26 67.04 180 bottom
R267  187k_DNP  [R0402]  195.26 66.02 180 bottom
R268  124K_DNP  [R0402]  194.54 71.31 90 bottom
R269  0  [R0402]  202.31 68.55 0 top
R270  18.2K  [R0402]  202.31 66.52 0 top
R271  0  [R0402]  200.02 68.89 180 bottom
R272  2_DNP  [R0402]  204.47 67.53 180 top
R273  0  [R0402]  99.51 91.77 0 bottom
R274  44.2K  [R0402]  99.69 86.51 0 bottom
R275  97.6K  [R0402]  101.41 86.51 0 bottom
R276  10K  [R0402]  129.65 93.27 180 top
R277  2.43K  [R0402]  127.87 92.13 180 top
R278  0  [R0402]  129.1 96.62 180 bottom
R279  1.15K  [R0402]  129.65 92.13 0 top
R280  100K  [R0402]  184.12 69.74 270 top
R281  10K  [R0402]  185.39 67.33 90 bottom
R282  100K  [R0402]  183.6 62.57 270 bottom
R283  110K  [R0402]  184.61 62.57 270 bottom
R284  187k_DNP  [R0402]  185.63 62.57 270 bottom
R285  124K_DNP  [R0402]  180.33 61.73 180 bottom
R286  10K  [R0402]  185.14 69.74 90 top
R287  2  [R0402]  183.1 69.74 90 top
R288  10K  [R0402]  84.99 29.14 270 top
R289  10K  [R0402]  82.96 29.14 90 top
R290  0  [R0402]  88.04 26.85 0 top
R291  249  [R0402]  126.48 107.24 180 top
R292  10K  [R0402]  128.13 103.25 270 top
R293  10K  [R0402]  134.51 98.56 180 top
R294  10K  [R0402]  133.71 100.68 180 top
R295  0  [R0402]  129.46 102.84 180 top
R296  0_DNP  [R0805]  15.96 104.11 90 top
R297  1K  [R0402]  181.48 100.51 270 top
R298  0  [R0402]  181.48 102.28 270 top
R299  100K  [R0402]  172.16 105.91 0 top
R300  0  [R0402]  186.24 102.24 270 top
R301  100K  [R0402]  173.91 105.91 0 top
R302  0  [R0402]  170.23 107.97 180 top
R303  100K  [R0402]  170.23 108.99 180 top
TP1  TP  [TP0_8]  86.57 97.33 180 top
TP2  TP  [TP0_8]  98.2 97.54 180 top
TP3  TP  [TP0_8]  161.26 80.47 180 top
TP4  TP  [TP0_8]  164.94 38.94 180 top
TP5  TP  [TP0_8]  197.95 54.59 90 top
TP6  TP  [TP0_8]  165.69 28.34 180 top
TP7  TP  [TP0_8]  197.82 85.74 90 top
TP8  TP  [TP0_8]  98.26 84.33 0 bottom
TP9  TP  [TP0_8]  125.87 90.4 90 top
TP10  TP  [TP0_8]  161.26 58.12 180 top
TP11  TP  [TP0_8]  65.24 31.72 0 top
TP12  TP  [TP0_8]  65.36 46.66 0 top
TP13  TP  [TP0_8]  152.66 98.37 180 top
TP14  TP  [TP0_8]  135.14 108.13 180 top
TP15  TP  [TP0_8]  176.15 104.18 90 top
TP16  TP  [TP0_8]  92.34 55.42 270 bottom
TP17  TP  [TP0_8]  93.34 58.01 270 bottom
TP18  TP  [TP0_8]  93.34 60.33 270 bottom
TP19  TP  [TP0_8]  93.34 59.18 270 bottom
TP20  TP  [TP0_8]  90.23 59.05 270 bottom
TP21  TP  [TP0_8]  87.81 58.85 270 bottom
TP22  TP  [TP0_8]  97.62 60.53 270 bottom
TP23  GND TEST  [SIP-1P]  205.16 61.61 0 top
TP24  GND TEST  [SIP-1P]  205.94 92.22 0 top
TP25  GND TEST  [SIP-1P]  56.01 81.98 0 top
TP26  GND TEST  [SIP-1P]  56.01 71.31 0 top
U1  -  [XCVU3P-2FFVC1517I]  108.82 63.73 90 top
U2  PC28F512P30TFA  [PC28F512P30TFA_BGA64]  115.95 99.46 180 top
U3  50MHz  [ECS-2520MV]  118.48 90.15 180 top
U4  MT40A512M16LY-062E_IT_E  [FBGA_DDR4_96P]  75.55 76.3 90 top
U5  MT40A512M16LY-062E_IT_E  [FBGA_DDR4_96P]  75.55 88.87 90 top
U6  MT40A512M16LY-062E_IT_E  [FBGA_DDR4_96P]  75.55 51.16 90 top
U7  MT40A512M16LY-062E_IT_E  [FBGA_DDR4_96P]  75.55 38.58 90 top
U8  MT40A512M16LY-062E_IT_E  [FBGA_DDR4_96P]  75.55 63.73 90 top
U9  MT40A512M16LY-062E_IT_E  [FBGA_DDR4_96P]  142.09 88.87 270 top
U10  MT40A512M16LY-062E_IT_E  [FBGA_DDR4_96P]  142.09 76.3 270 top
U11  MT40A512M16LY-062E_IT_E  [FBGA_DDR4_96P]  142.09 38.58 270 top
U12  MT40A512M16LY-062E_IT_E  [FBGA_DDR4_96P]  142.09 51.16 270 top
U13  MT40A512M16LY-062E_IT_E  [FBGA_DDR4_96P]  142.09 63.73 270 top
U14  -  [TXS0108EPWR]  58.45 90.18 180 top
U15  -  [TXS0108EPWR]  58.45 62.59 180 top
U16  -  [TXS0108EPWR]  58.45 50.4 180 top
U17  -  [TXS0108EPWR]  58.45 36.15 180 top
U18  -  [TXS0102DCT]  55.58 19.83 180 top
U19  -  [TXS0102DCT]  55.58 23.76 180 top
U20  -  [LMK1D1204RGT]  92.13 98.97 270 top
U21  SIT9121AI-2B1-33E156.250000  [SMD-3225]  91.93 104.95 270 top
U22  SiT9121AI-2B1-33E200.000000  [SMD-3225]  103.36 104.95 270 top
U23  -  [LMK1D1204RGT]  103.56 98.97 270 top
U24  TPS53355DQPR  [TPS53353DQP]  182.47 87.39 270 top
U25  TPS53318DQPR  [TPS53353DQP]  182.47 45.87 270 top
U26  TPS53318DQPR  [TPS53353DQP]  197.73 37.8 180 top
U27  TPS53318DQPR  [TPS53353DQP]  182.47 26.82 270 top
U28  LT3070EUFD#TRPBF  [LT3070EUFD]  136.26 23.06 90 top
U29  TPS53318DQPR  [TPS53353DQP]  197.73 69.18 180 top
U30  SPX3819M5-L/TR  [ADP150AUJZ]  100.06 89.05 270 bottom
U31  -  [TPS7A9201DSKR]  128.37 95.54 90 top
U32  -  [TPS53353DQP]  182.47 65.04 270 top
U33  -  [TPS51200DRC]  84.57 26.18 0 top
U34  -  [TPS51200DRC]  132.7 103.34 180 top
U35  -  [ATS-61800K-C2-R0]  108.82 63.73 90 top

## Library data of the parts
C1-C8 C10 C40-C44 C48-C51 C58-C61 C68 C73-C76 C85-C94 C96 C98 C123 C124 C126 C128 C153 C156 C161-C169 C182 C183 C185 C187 C212 C213 C215 C217 C242 C245 C250-C258 C272 C275 C276 C278 C280 C282 C284 C287 C288 C290 C292 C294 C296 C298 C300 C302-C310 C314-C318 C329 C330 C341 C342 C454 C463 C469-C486 = 0_1UF_0
C9 C11 C25 C26 C28 C36 C38 C45 C52 C54 C55 C99 C111 C129 C141 C170 C188 C200 C218 C230 C259 C416 C437 = 47UF_0
C12-C15 = 0_01UF_0: signal model: 0_01UF_0_C0402_BGA_0.01UF_0.01UF
C16 C17 C19 C20 C372 C373 = 0_01UF_1: signal model: 0_01UF_1_C0402_0.1UF_0.1UF
C18 C431 C433 = 10UF_1
C21-C24 C27 C35 C415 = 100UF_0
C29-C34 C37 C39 C46 C53 C56 C57 C62-C67 C359 C366 C419 C447 C448 C451-C453 C456 C457 C460-C462 = 10UF_0
C47 C358 C365 C375 C391 C392 C400 C401 C409 C410 C427 C428 C445 C468 = 1UF_0
C69-C72 C77-C84 C95 C97 C101-C110 C113-C122 C125 C127 C131-C140 C143-C152 C155 C157-C160 C172-C181 C184 C186 C190-C199 C202-C211 C214 C216 C220-C229 C232-C241 C244 C246-C249 C261-C270 = 4_7UF_0
